# KiCad board SP110Duo.kicad_pcb (continued)
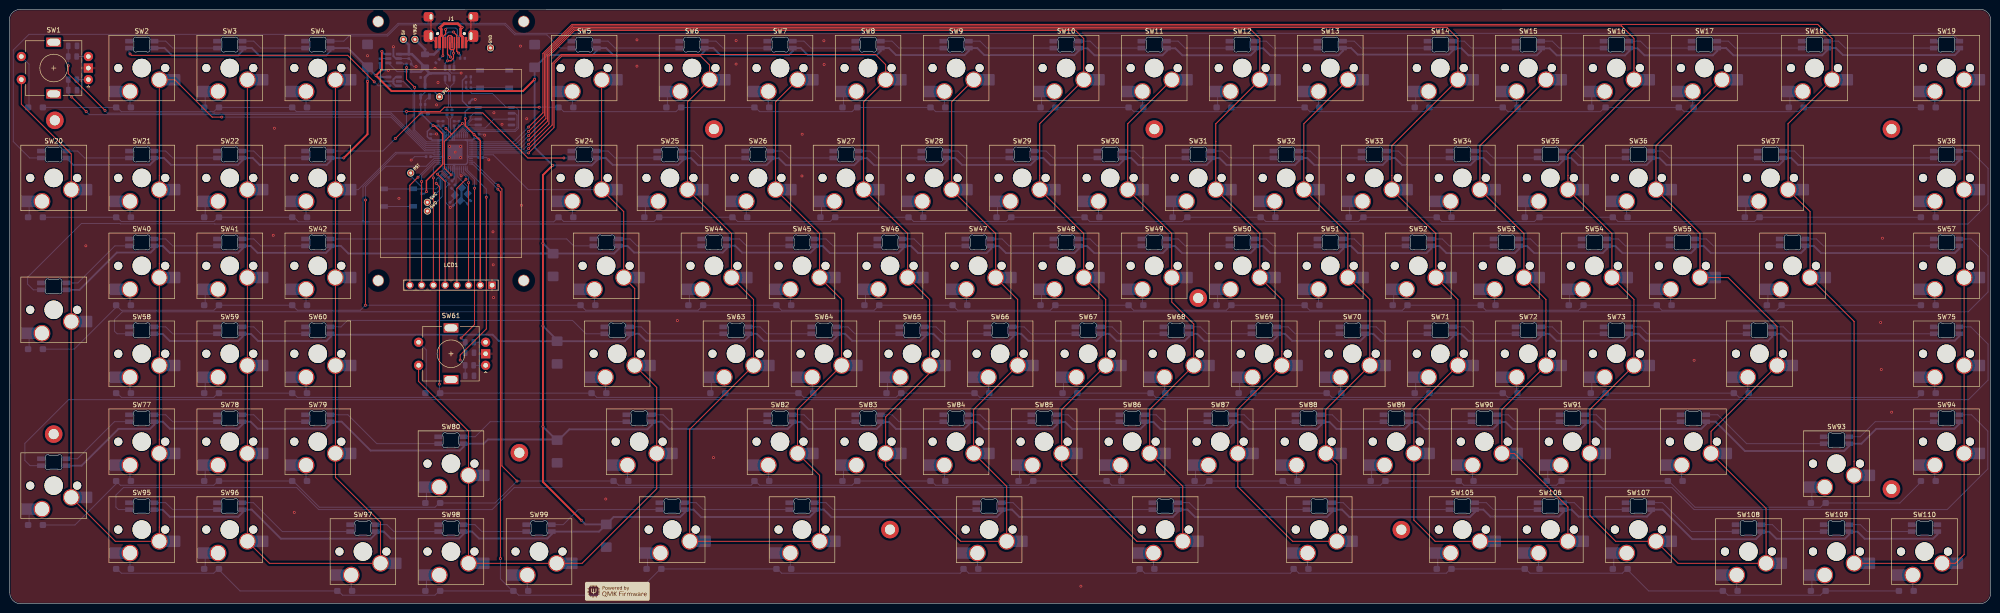
[diagram p0: board, top side]
## Routing (per net, layer and track width the routed paths; a pad name or vN(x,y) marks a point on that pad's centre or on a via; arc(x,y) is an arc through that point) (continued)
QSPI_SCLK: length 6.1
  Bottom w0.2: U6.6 100.21,105.02 97.48,102.28 U4.52
QSPI_SD0: length 5.1
  Bottom w0.2: U6.5 99.41,103.75 97.88,102.22 U4.53
QSPI_SD1: length 16.5
  Bottom w0.2: U6.2 109.48,106.29 109.88,105.89 109.88,103.19 109.37,102.68 99.27,102.68 98.68,102.09 U4.55
QSPI_SD2: length 12.4
  Bottom w0.2: U4.54 98.28,102.15 99.22,103.1 102.98,103.1 104.9,105.02 U6.3
QSPI_SD3: length 7.4
  Bottom w0.2: U4.51 97.08,102.34 99.88,105.14 99.88,105.69 100.48,106.29 U6.7
QSPI_SS: length 30.7
  Bottom w0.2: U4.56 99.08,102.03 99.4,102.36 109.51,102.36 110.2,103.05 110.2,106.96 109.61,107.56 U6.1 107.57,107.56 104.58,110.55 100.13,110.55 98.88,111.8 R12.2 R11.1
RESET: length 21.2
  Bottom w0.2: TP5.1 86.88,92.7 89.28,90.3 R10.1 92.39,89.91 93.02,90.54 93.02,92.11 94.68,93.77 U4.26 ; RST1.1 RST1.1 89.27,89.9
ROT1_A: length 2.5
  Bottom w0.2: R13.2 SW1.A
ROT1_B: length 2.5
  Bottom w0.2: R14.2 SW1.B
ROT2_A: length 2.6
  Bottom w0.2: R16.2 SW61.A
ROT2_B: length 2.6
  Bottom w0.2: R15.2 SW61.B
ROW0: length 425.7
  Top w0.2: v1(114.68,107.6) 94.18,107.6 93.26,106.68 v1(85.96,106.68)
  Bottom w0.2: 119.05,107.56 119.98,106.63 144.27,106.63 145.19,107.56 161.44,107.56 162.37,106.63 182.37,106.63 183.29,107.56 199.54,107.56 200.47,106.63 225.23,106.63 226.15,107.56 242.4,107.56 243.33,106.63 263.33,106.63 264.25,107.56 280.5,107.56 281.43,106.63 306.19,106.63 307.12,107.56 323.37,107.56 324.29,106.63 344.29,106.63 345.22,107.56 361.47,107.56 362.39,106.63 387.15,106.63 388.08,107.56 413.85,107.56 ; 61.43,107.56 45.18,107.56 44.25,106.63 24.25,106.63 23.33,107.56 7.08,107.56 ; D5.1 118.82,107.6 v1(114.68,107.6) ; U4.39 90.16,99.29 85.96,103.48 v1(85.96,106.68) 62.11,106.68 D4.1
ROW1: length 442.5
  Bottom w0.2: 118.8,83.75 117.83,82.77 77.88,82.77 ; 76.55,82.95 76.38,82.77 ; 76.55,82.95 76.72,82.77 77.88,82.77 ; 76.55,82.95 76.55,83 ; 76.55,82.95 76.55,83 ; 76.38,82.77 62.6,82.77 61.63,83.75 61.18,83.75 ; 76.38,82.77 77.88,82.77 ; 7.08,83.75 23.33,83.75 24.25,82.82 44.25,82.82 45.18,83.75 61.43,83.75 61.43,83.61 ; 119.05,83.74 119.05,83.75 119.98,82.82 139.5,82.82 140.43,83.75 156.68,83.75 157.6,82.82 177.6,82.82 178.53,83.75 194.78,83.75 195.7,82.82 215.7,82.82 216.63,83.75 232.88,83.75 233.8,82.82 253.8,82.82 254.73,83.75 270.98,83.75 271.9,82.82 291.9,82.82 292.83,83.75 309.08,83.75 310,82.82 330,82.82 330.93,83.75 347.18,83.75 348.1,82.82 377.63,82.82 378.55,83.75 413.85,83.75 ; 76.55,83 76.55,90.31 83.74,97.5 91.73,97.5 91.94,97.29 U4.34
ROW2: length 463
  Top w0.2: 77.2,87.5 77.08,87.37 v1(77.08,64.7)
  Bottom w0.2: D57.1 D56.2 382.42,63.6 357.6,63.6 D55.1 D54.2 339.56,63.6 319.5,63.6 D53.1 D52.2 301.46,63.6 281.4,63.6 D51.1 D50.2 263.36,63.6 243.3,63.6 D49.1 D48.2 225.26,63.6 205.2,63.6 D47.1 D46.2 187.16,63.6 167.1,63.6 D45.1 D44.2 149.06,63.6 124.72,63.6 D43.1 77.08,64.7 v1(77.08,64.7) 75.98,63.6 62.33,63.6 D42.1 D41.2 44.28,63.6 24.35,63.6 24.29,63.54 D40.1 23.13,64.25 14.05,55.17 D39.2 ; U4.32 91.92,96.49 90.23,94.8 81.5,94.8 77.08,90.37 v1(77.08,87.5)
ROW3: length 447.4
  Top w0.2: v1(93.08,47.6) 93.08,90.42 v1(92.39,91.1)
  Bottom w0.2: D61.2 93.08,45.81 v1(93.08,47.6) ; U4.27 94.28,93.83 92.39,91.95 v1(92.39,91.1) ; 413.85,45.65 412.93,44.72 374.3,44.72 373.37,45.65 345.22,45.65 344.29,44.72 324.29,44.72 323.37,45.65 307.12,45.65 306.19,44.72 286.19,44.72 285.27,45.65 269.02,45.65 268.09,44.72 248.09,44.72 247.17,45.65 230.92,45.65 229.99,44.72 209.99,44.72 209.07,45.65 192.82,45.65 191.89,44.72 171.89,44.72 170.97,45.65 154.72,45.65 153.79,44.72 127.12,44.72 126.2,45.65 93.04,45.65 92.12,44.72 62.35,44.72 61.43,45.65 45.18,45.65 44.25,44.72 24.25,44.72 23.33,45.65
ROW4: length 499.8
  Top w0.2: v1(105.78,90.7) 106.6,89.87 106.6,29.87 v1(109.88,26.6)
  Bottom w0.2: 413.85,26.6 409.09,21.83 392.84,21.83 391.92,20.91 364.77,20.91 359.08,26.6 335.69,26.6 334.77,25.67 314.77,25.67 313.84,26.6 297.59,26.6 296.67,25.67 276.67,25.67 275.74,26.6 259.49,26.6 258.57,25.67 238.57,25.67 237.64,26.6 221.39,26.6 220.47,25.67 200.47,25.67 199.54,26.6 183.29,26.6 182.37,25.67 162.37,25.67 161.44,26.6 160.52,25.67 131.89,25.67 130.96,26.6 v1(109.88,26.6) 105.12,21.83 93.04,21.83 92.12,20.91 67.12,20.91 61.43,26.6 45.18,26.6 44.25,25.67 24.05,25.67 D77.1 ; D77.1 23.33,26.6 ; D77.1 23.13,25.98 14.22,17.07 7.08,17.07 ; U4.13 100.56,95.69 105.15,91.1 105.38,91.1 v1(105.78,90.7)
ROW5: length 495.2
  Top w0.2: v1(105.73,89.85) 106.28,89.3 v1(106.28,9.8)
  Bottom w0.2: 23.33,7.55 24.25,6.62 44.25,6.62 45.18,7.55 49.94,2.78 71.19,2.78 72.12,1.86 92.12,1.86 93.04,2.78 109.29,2.78 110.22,1.86 135.22,1.86 140.9,7.55 166.2,7.55 167.13,6.62 205.76,6.62 206.68,7.55 207.61,6.62 243.86,6.62 244.78,7.55 245.71,6.62 277.2,6.62 278.12,7.55 279.05,6.62 310.95,6.62 311.88,7.55 328.13,7.55 329.05,6.62 349.05,6.62 349.98,7.55 354.74,2.78 370.99,2.78 371.92,1.86 391.92,1.86 392.84,2.78 409.09,2.78 ; U4.14 100.29,95.29 v1(105.73,89.85) ; v1(106.28,9.8) 106.28,5.4 108.89,2.78 D99.1
SWC: length 11.5
  Bottom w0.2: U4.24 95.48,93.64 93.68,91.84 93.68,88.25 90.48,85.05
SWD: length 9.4
  Bottom w0.2: U4.25 95.08,93.7 93.35,91.98 93.35,89.87 90.48,87
XIN: length 8.3
  Bottom w0.2: U4.20 97.08,92.48 99.17,90.38 Y1.3 99.17,88 C11.2
XOUT: length 3.8
  Bottom w0.2: U4.21 96.68,90.99 R8.1
Net-(BOOT1-Pad1): length 8.3
  Bottom w0.2: R12.1 BOOT1.1 ; 101.23,111.8 107.53,111.8
Net-(C12-Pad2): length 3.8
  Bottom w0.2: R8.2 96.41,89.32 Y1.1 96.41,88 C12.2
Net-(D1-K): length 11.7
  Bottom w0.2: SW1.S1 4.28,116.92 4.28,107.56
Net-(D2-A): length 3.4
  Bottom w0.2: SW2.2 26.13,107.56
Net-(D3-K): length 3.5
  Bottom w0.2: 42.38,107.56 42.4,107.58 SW3.2
Net-(D4-A): length 3.4
  Bottom w0.2: SW4.2 64.23,107.56
Net-(D5-A): length 3.4
  Bottom w0.2: SW5.2 121.85,107.56
Net-(D6-K): length 3.5
  Bottom w0.2: SW6.2 142.41,107.58 142.39,107.56
Net-(D7-A): length 3.4
  Bottom w0.2: SW7.2 164.24,107.56
Net-(D8-K): length 3.5
  Bottom w0.2: SW8.2 180.51,107.58 180.49,107.56
Net-(D9-A): length 3.4
  Bottom w0.2: SW9.2 202.34,107.56
Net-(D10-K): length 3.5
  Bottom w0.2: 223.35,107.56 223.37,107.58 SW10.2
Net-(D11-A): length 3.4
  Bottom w0.2: SW11.2 245.2,107.56
Net-(D12-K): length 3.5
  Bottom w0.2: SW12.2 261.47,107.58 261.45,107.56
Net-(D13-A): length 3.4
  Bottom w0.2: SW13.2 283.3,107.56
Net-(D14-K): length 3.5
  Bottom w0.2: SW14.2 304.34,107.58 304.32,107.56
Net-(D15-A): length 3.4
  Bottom w0.2: SW15.2 326.17,107.56
Net-(D16-K): length 3.5
  Bottom w0.2: 342.42,107.56 342.44,107.58 SW16.2
Net-(D17-A): length 3.4
  Bottom w0.2: SW17.2 364.27,107.56
Net-(D18-K): length 3.5
  Bottom w0.2: SW18.2 385.3,107.58 385.28,107.56
Net-(D19-A): length 3.4
  Bottom w0.2: SW19.2 416.65,107.56
Net-(D20-K): length 3.5
  Bottom w0.2: SW20.2 4.3,83.77 4.28,83.75
Net-(D21-A): length 3.4
  Bottom w0.2: SW21.2 26.13,83.75
Net-(D22-K): length 3.5
  Bottom w0.2: SW22.2 42.4,83.77 42.38,83.75
Net-(D23-A): length 3.4
  Bottom w0.2: SW23.2 64.23,83.75
Net-(D24-A): length 3.4
  Bottom w0.2: SW24.2 121.85,83.75
Net-(D25-K): length 3.5
  Bottom w0.2: 137.63,83.75 137.65,83.77 SW25.2
Net-(D26-A): length 3.4
  Bottom w0.2: SW26.2 159.48,83.75
Net-(D27-K): length 3.5
  Bottom w0.2: 175.73,83.75 175.75,83.77 SW27.2
Net-(D28-A): length 3.4
  Bottom w0.2: SW28.2 197.58,83.75
Net-(D29-K): length 3.5
  Bottom w0.2: SW29.2 213.85,83.77 213.83,83.75
Net-(D30-A): length 3.4
  Bottom w0.2: 235.68,83.75 SW30.2
Net-(D31-K): length 3.5
  Bottom w0.2: 251.93,83.75 251.95,83.77 SW31.2
Net-(D32-A): length 3.4
  Bottom w0.2: SW32.2 273.78,83.75
Net-(D33-K): length 3.5
  Bottom w0.2: 290.03,83.75 290.05,83.77 SW33.2
Net-(D34-A): length 3.4
  Bottom w0.2: 311.88,83.75 SW34.2
Net-(D35-K): length 3.5
  Bottom w0.2: 328.13,83.75 328.15,83.77 SW35.2
Net-(D36-A): length 3.4
  Bottom w0.2: SW36.2 349.98,83.75
Net-(D37-K): length 3.5
  Bottom w0.2: 375.75,83.75 375.77,83.77 SW37.2
Net-(D38-A): length 3.4
  Bottom w0.2: SW38.2 416.65,83.75
Net-(D39-K): length 3.5
  Bottom w0.2: SW39.2 4.3,55.19 4.28,55.17
Net-(D40-A): length 3.4
  Bottom w0.2: SW40.2 26.13,64.7
Net-(D41-K): length 3.5
  Bottom w0.2: 42.38,64.7 42.4,64.72 SW41.2
Net-(D42-A): length 3.4
  Bottom w0.2: SW42.2 64.23,64.7
Net-(D43-A): length 3.4
  Bottom w0.2: SW43.2 126.62,64.7
Net-(D44-K): length 3.5
  Bottom w0.2: SW44.2 147.17,64.72 147.15,64.7
Net-(D45-A): length 3.4
  Bottom w0.2: SW45.2 169,64.7
Net-(D46-K): length 3.5
  Bottom w0.2: 185.25,64.7 185.27,64.72 SW46.2
Net-(D47-A): length 3.4
  Bottom w0.2: SW47.2 207.1,64.7
Net-(D48-K): length 3.5
  Bottom w0.2: 223.35,64.7 223.37,64.72 SW48.2
Net-(D49-A): length 3.4
  Bottom w0.2: SW49.2 245.2,64.7
Net-(D50-K): length 3.5
  Bottom w0.2: SW50.2 261.47,64.72 261.45,64.7
Net-(D51-A): length 3.4
  Bottom w0.2: SW51.2 283.3,64.7
Net-(D52-K): length 3.5
  Bottom w0.2: 299.55,64.7 299.57,64.72 SW52.2
Net-(D53-A): length 3.4
  Bottom w0.2: SW53.2 321.4,64.7
Net-(D54-K): length 3.5
  Bottom w0.2: SW54.2 337.65,68.12 337.65,64.7
Net-(D55-A): length 3.4
  Bottom w0.2: SW55.2 359.5,64.7
Net-(D56-K): length 3.5
  Bottom w0.2: SW56.2 380.54,64.72 380.52,64.7
Net-(D57-A): length 3.4
  Bottom w0.2: SW57.2 416.65,64.7
Net-(D58-A): length 3.4
  Bottom w0.2: SW58.2 26.13,45.65
Net-(D59-K): length 3.5
  Bottom w0.2: SW59.2 42.4,45.67 42.38,45.65
Net-(D60-A): length 3.4
  Bottom w0.2: SW60.2 64.23,45.65
Net-(D61-K): length 11.7
  Bottom w0.2: 90.24,45.65 90.24,55.01 SW61.S1
Net-(D62-A): length 3.4
  Bottom w0.2: 129,45.65 SW62.2
Net-(D63-K): length 3.5
  Bottom w0.2: SW63.2 151.92,49.07 151.92,45.65
Net-(D64-A): length 3.4
  Bottom w0.2: 173.77,45.65 SW64.2
Net-(D65-K): length 3.5
  Bottom w0.2: SW65.2 190.02,49.07 190.02,45.65
Net-(D66-A): length 3.4
  Bottom w0.2: 211.87,45.65 SW66.2
Net-(D67-K): length 3.5
  Bottom w0.2: 228.12,45.65 228.12,49.07 SW67.2
Net-(D68-A): length 3.4
  Bottom w0.2: 249.97,45.65 SW68.2
Net-(D69-K): length 3.5
  Bottom w0.2: SW69.2 266.24,45.67 266.22,45.65
Net-(D70-A): length 3.4
  Bottom w0.2: 288.07,45.65 SW70.2
Net-(D71-K): length 3.5
  Bottom w0.2: 304.32,45.65 304.34,45.67 SW71.2
Net-(D72-A): length 3.4
  Bottom w0.2: SW72.2 326.17,45.65
Net-(D73-K): length 3.5
  Bottom w0.2: 342.42,45.65 342.44,45.67 SW73.2
Net-(D74-A): length 3.4
  Bottom w0.2: SW74.2 376.17,45.65
Net-(D75-A): length 3.4
  Bottom w0.2: SW75.2 416.65,45.65
Net-(D76-K): length 3.5
  Bottom w0.2: 4.28,17.07 4.3,17.09 SW76.2
Net-(D77-A): length 3.4
  Bottom w0.2: SW77.2 26.13,26.6
Net-(D78-K): length 3.5
  Bottom w0.2: SW78.2 42.4,26.62 42.38,26.6
Net-(D79-A): length 3.4
  Bottom w0.2: SW79.2 64.23,26.6
Net-(D80-K): length 3.5
  Bottom w0.2: SW80.2 90.26,21.85 90.24,21.83
Net-(D81-A): length 3.4
  Bottom w0.2: SW81.2 133.76,26.6
Net-(D82-A): length 3.4
  Bottom w0.2: SW82.2 164.24,26.6
Net-(D83-K): length 3.5
  Bottom w0.2: 180.49,26.6 180.51,26.62 SW83.2
Net-(D84-A): length 3.4
  Bottom w0.2: SW84.2 202.34,26.6
Net-(D85-K): length 3.5
  Bottom w0.2: SW85.2 218.61,26.62 218.59,26.6
Net-(D86-A): length 3.4
  Bottom w0.2: SW86.2 240.44,26.6
Net-(D87-K): length 3.5
  Bottom w0.2: SW87.2 256.71,26.62 256.69,26.6
Net-(D88-A): length 3.4
  Bottom w0.2: SW88.2 278.54,26.6
Net-(D89-K): length 3.5
  Bottom w0.2: SW89.2 294.79,30.02 294.79,26.6
Net-(D90-A): length 3.4
  Bottom w0.2: SW90.2 316.64,26.6
Net-(D91-K): length 3.5
  Bottom w0.2: 332.89,26.6 332.91,26.62 SW91.2
Net-(D92-A): length 3.4
  Bottom w0.2: SW92.2 361.88,26.6
Net-(D93-K): length 3.5
  Bottom w0.2: 390.04,21.83 390.06,21.85 SW93.2
Net-(D94-A): length 3.4
  Bottom w0.2: SW94.2 416.65,26.6
Net-(D95-A): length 3.4
  Bottom w0.2: SW95.2 26.13,7.55
Net-(D96-K): length 3.5
  Bottom w0.2: 42.38,7.55 42.4,7.57 SW96.2
Net-(D97-A): length 3.4
  Bottom w0.2: SW97.2 73.99,2.78
Net-(D98-K): length 3.5
  Bottom w0.2: SW98.2 90.26,2.8 90.24,2.78
Net-(D99-A): length 3.4
  Bottom w0.2: SW99.2 112.09,2.78
Net-(D100-K): length 3.5
  Bottom w0.2: SW100.2 138.12,7.57 138.1,7.55
Net-(D101-A): length 3.4
  Bottom w0.2: SW101.2 169,7.55
Net-(D102-A): length 3.4
  Bottom w0.2: SW102.2 209.48,7.55
Net-(D103-A): length 3.4
  Bottom w0.2: SW103.2 247.58,7.55
Net-(D104-A): length 3.4
  Bottom w0.2: SW104.2 280.92,7.55
Net-(D105-K): length 3.5
  Bottom w0.2: SW105.2 309.1,7.57 309.08,7.55
Net-(D106-A): length 3.4
  Bottom w0.2: 330.93,7.55 SW106.2
Net-(D107-K): length 3.5
  Bottom w0.2: SW107.2 347.2,7.57 347.18,7.55
Net-(D108-A): length 3.4
  Bottom w0.2: 373.79,2.78 SW108.2
Net-(D109-K): length 3.5
  Bottom w0.2: SW109.2 390.06,2.8 390.04,2.78
Net-(D110-A): length 3.4
  Bottom w0.2: SW110.2 411.89,2.78
Net-(J1-CC1): length 10
  Top w0.25: v1(97.25,119.32) 96.83,119.74 96.83,123.19 v1(96.13,123.9)
  Bottom w0.25: v1(97.25,119.32) 97.58,119 97.58,118.21 R1.1 ; v1(96.13,123.9) 95.03,123.9 94.33,123.2 94.33,121.6
Net-(J1-CC2): length 12.8
  Top w0.25: v1(94.43,124.45) 94.43,123.49 93.83,122.9 v1(93.83,118.75)
  Bottom w0.25: v1(94.43,124.45) 94.73,124.75 96.63,124.75 96.98,124.4 96.98,123.23 97.33,122.87 97.33,121.6 ; v1(93.83,118.75) R2.1
Net-(R11-Pad2): length 1.2
  Bottom w0.2: R9.1 R11.2
Net-(SW2-DOUT): length 14.2
  Bottom w0.2: 44.97,120.41 35.35,120.41 33.85,121.91 31.42,121.91
Net-(SW3-DOUT): length 14.2
  Bottom w0.2: 50.47,121.91 52.9,121.91 54.4,120.41 64.02,120.41
Net-(SW4-DOUT): length 55.8
  Bottom w0.2: 121.64,120.41 119.21,120.41 116.34,123.28 109.39,123.28 107.23,125.45 84.28,125.45 81.88,123.05 73.53,123.05 72.39,121.91 69.52,121.91 69.57,121.86
Net-(SW5-DOUT): length 18.5
  Bottom w0.2: 127.14,121.91 129.58,121.91 131.08,120.41 144.98,120.41
Net-(SW6-DOUT): length 14.2
  Bottom w0.2: 150.48,121.91 152.92,121.91 154.42,120.41 164.03,120.41
Net-(SW7-DOUT): length 14.2
  Bottom w0.2: 169.53,121.91 171.97,121.91 173.47,120.41 183.08,120.41
Net-(SW8-DOUT): length 14.2
  Bottom w0.2: 202.13,120.41 192.52,120.41 191.02,121.91 188.58,121.91
Net-(SW10-DIN): length 18.9
  Bottom w0.2: 225.94,120.41 211.57,120.41 210.07,121.91 207.63,121.91
Net-(SW10-DOUT): length 14.2
  Bottom w0.2: 244.99,120.41 235.38,120.41 233.88,121.91 231.44,121.91
Net-(SW11-DOUT): length 14.2
  Bottom w0.2: 250.49,121.91 252.93,121.91 254.43,120.41 264.04,120.41
Net-(SW12-DOUT): length 14.2
  Bottom w0.2: 269.54,121.91 271.98,121.91 273.48,120.41 283.09,120.41
Net-(SW13-DOUT): length 18.9
  Bottom w0.2: 288.59,121.91 291.03,121.91 292.53,120.41 306.91,120.41
Net-(SW14-DOUT): length 14.2
  Bottom w0.2: 325.96,120.41 316.34,120.41 314.84,121.91 312.41,121.91
Net-(SW15-DOUT): length 14.2
  Bottom w0.2: 345.01,120.41 335.39,120.41 333.89,121.91 331.46,121.91
Net-(SW16-DOUT): length 14.2
  Bottom w0.2: 350.51,121.91 352.94,121.91 354.44,120.41 364.06,120.41
Net-(SW17-DOUT): length 18.9
  Bottom w0.2: 387.87,120.41 373.49,120.41 371.99,121.91 369.56,121.91
Net-(SW18-DOUT): length 23.7
  Bottom w0.2: 416.44,120.41 397.3,120.41 395.8,121.91 393.37,121.91
Net-(SW19-DOUT): length 452.4
  Bottom w0.2: SW20.5 4.42,96.6 0.88,100.15 0.88,120 4.28,123.4 81.76,123.4 84.14,125.77 107.36,125.77 109.52,123.61 420.33,123.61 421.94,122 421.94,121.91
Net-(SW20-DOUT): length 14.2
  Bottom w0.2: SW20.4 14.8,98.1 16.3,96.6 SW21.5
Net-(SW21-DOUT): length 14.2
  Bottom w0.2: SW22.5 35.35,96.6 33.85,98.1 SW21.4
Net-(SW22-DOUT): length 14.2
  Bottom w0.2: SW22.4 52.9,98.1 54.4,96.6 SW23.5
Net-(SW23-DOUT): length 59.6
  Top w0.2: v1(120.03,96.6) 112.23,96.6 102.47,106.36 89.09,106.36 v1(83.53,100.8)
  Bottom w0.2: v1(83.53,100.8) 80.83,98.1 SW23.4 ; 120.03,96.65 120.08,96.6 121.64,96.6 SW24.5
Net-(SW24-DOUT): length 13.7
  Bottom w0.2: SW24.4 129.58,98.1 131.08,96.6 SW25.5
Net-(SW25-DOUT): length 14.2
  Bottom w0.2: SW25.4 148.15,98.1 149.65,96.6 SW26.5
Net-(SW26-DOUT): length 14.2
  Bottom w0.2: SW27.5 168.7,96.6 167.2,98.1 SW26.4
Net-(SW27-DOUT): length 14.2
  Bottom w0.2: SW27.4 186.25,98.1 187.75,96.6 SW28.5
Net-(SW28-DOUT): length 14.2
  Bottom w0.2: SW28.4 205.3,98.1 206.8,96.6 SW29.5
Net-(SW29-DOUT): length 14.2
  Bottom w0.2: SW30.5 225.85,96.6 224.35,98.1 SW29.4
Net-(SW30-DOUT): length 14.2
  Bottom w0.2: SW30.4 243.4,98.1 244.9,96.6 SW31.5
Net-(SW31-DOUT): length 14.2
  Bottom w0.2: SW31.4 262.45,98.1 263.95,96.6 SW32.5
Net-(SW32-DOUT): length 14.2
  Bottom w0.2: SW32.4 281.5,98.1 283,96.6 SW33.5
Net-(SW33-DOUT): length 14.2
  Bottom w0.2: SW33.4 300.55,98.1 302.05,96.6 SW34.5
Net-(SW34-DOUT): length 14.2
  Bottom w0.2: SW34.4 319.6,98.1 321.1,96.6 SW35.5
Net-(SW35-DOUT): length 14.2
  Bottom w0.2: SW36.5 340.15,96.6 338.65,98.1 SW35.4
Net-(SW36-DOUT): length 23.7
  Bottom w0.2: SW37.5 359.2,96.6 357.7,98.1 SW36.4
Net-(SW37-DOUT): length 33.2
  Bottom w0.2: SW37.4 386.28,98.1 387.78,96.6 SW38.5
Net-(SW38-DOUT): length 451.3
  Bottom w0.2: SW39.5 5.21,68.03 3.98,69.26 3.98,70.76 15.61,82.39 23.98,82.39 24.05,82.32 44.46,82.32 44.51,82.27 423.79,82.27 428.18,86.66 428.18,94.36 424.43,98.1 SW38.4
Net-(SW39-DOUT): length 16.9
  Bottom w0.2: SW40.5 22.87,77.55 14.84,69.53 SW39.4
Net-(SW40-DOUT): length 14.2
  Bottom w0.2: SW40.4 33.85,79.05 35.35,77.55 SW41.5
Net-(SW41-DOUT): length 14.2
  Bottom w0.2: SW41.4 52.9,79.05 54.4,77.55 SW42.5
Net-(SW42-DOUT): length 57.5
  Bottom w0.2: SW43.5 122.13,77.55 120.63,79.05 SW42.4
Net-(SW43-DOUT): length 18.5
  Bottom w0.2: SW44.5 135.84,77.55 134.34,79.05 SW43.4
Net-(SW44-DOUT): length 14.2
  Bottom w0.2: SW45.5 159.53,77.55 158.03,79.05 SW44.4
Net-(SW45-DOUT): length 14.2
  Bottom w0.2: SW45.4 176.73,79.05 178.23,77.55 SW46.5
Net-(SW46-DOUT): length 14.2
  Bottom w0.2: SW46.4 195.78,79.05 197.28,77.55 SW47.5
Net-(SW47-DOUT): length 14.2
  Bottom w0.2: SW47.4 214.83,79.05 216.33,77.55 SW48.5
Net-(SW48-DOUT): length 14.2
  Bottom w0.2: SW48.4 233.88,79.05 235.38,77.55 SW49.5
Net-(SW49-DOUT): length 14.2
  Bottom w0.2: SW50.5 254.43,77.55 252.93,79.05 SW49.4
Net-(SW50-DOUT): length 14.2
  Bottom w0.2: SW50.4 271.98,79.05 273.48,77.55 SW51.5
Net-(SW51-DOUT): length 14.2
  Bottom w0.2: SW51.4 291.03,79.05 292.53,77.55 SW52.5
Net-(SW52-DOUT): length 14.2
  Bottom w0.2: SW53.5 311.58,77.55 310.08,79.05 SW52.4
Net-(SW53-DOUT): length 14.2
  Bottom w0.2: SW53.4 329.18,79.05 330.68,77.55 SW54.5
Net-(SW54-DOUT): length 14.2
  Bottom w0.2: SW55.5 349.68,77.55 348.18,79.05 SW54.4
Net-(SW55-DOUT): length 18.9
  Bottom w0.2: SW56.5 368.73,77.55 367.23,79.05 SW55.4
Net-(SW56-DOUT): length 28.5
  Bottom w0.2: SW57.5 392.54,77.55 391.04,79.05 SW56.4
Net-(SW57-DOUT): length 429.3
  Bottom w0.2: SW57.4 424.48,79.05 428.18,75.36 428.18,67.56 423.89,63.27 24.49,63.27 22.78,61.56 22.78,59.06 23.33,58.5 SW58.5
Net-(SW58-DOUT): length 14.2
  Bottom w0.2: SW58.4 33.85,60 35.35,58.5 SW59.5
Net-(SW59-DOUT): length 14.2
  Bottom w0.2: SW59.4 52.9,60 54.4,58.5 SW60.5
Net-(SW60-DOUT): length 61
  Bottom w0.2: SW62.5 124.78,58.5 121.88,61.4 73.18,61.4 71.78,60 SW60.4
Net-(SW62-DOUT): length 20.8
  Bottom w0.2: SW62.4 136.72,60 138.22,58.5 SW63.5
Net-(SW63-DOUT): length 14.2
  Bottom w0.2: SW63.4 162.44,60 163.94,58.5 SW64.5
Net-(SW64-DOUT): length 14.2
  Bottom w0.2: SW64.4 181.49,60 182.99,58.5 SW65.5
Net-(SW65-DOUT): length 14.2
  Bottom w0.2: SW66.5 202.04,58.5 200.54,60 SW65.4
Net-(SW66-DOUT): length 14.2
  Bottom w0.2: SW66.4 219.59,60 221.09,58.5 SW67.5
Net-(SW67-DOUT): length 14.2
  Bottom w0.2: SW68.5 240.14,58.5 238.64,60 SW67.4
Net-(SW68-DOUT): length 14.2
  Bottom w0.2: SW68.4 257.69,60 259.19,58.5 SW69.5
Net-(SW69-DOUT): length 14.2
  Bottom w0.2: SW69.4 276.74,60 278.24,58.5 SW70.5
Net-(SW70-DOUT): length 14.2
  Bottom w0.2: SW71.5 297.29,58.5 295.79,60 SW70.4
Net-(SW71-DOUT): length 14.2
  Bottom w0.2: SW71.4 314.83,60 316.33,58.5 SW72.5
Net-(SW72-DOUT): length 14.2
  Bottom w0.2: SW72.4 333.89,60 335.39,58.5 SW73.5
Net-(SW73-DOUT): length 26.1
  Bottom w0.2: SW73.4 352.94,60 354.44,58.5 SW74.5
Net-(SW74-DOUT): length 35.6
  Bottom w0.2: SW74.4 383.9,60 385.4,58.5 SW75.5
Net-(SW75-DOUT): length 453.7
  Bottom w0.2: SW76.5 4.51,29.93 3.38,31.06 3.38,34.76 12.84,44.22 423.94,44.22 428.18,48.46 428.18,56.26 424.43,60 SW75.4
Net-(SW76-DOUT): length 16.9
  Bottom w0.2: SW76.4 14.74,31.43 22.77,39.45 SW77.5
Net-(SW77-DOUT): length 14.2
  Bottom w0.2: SW78.5 35.35,39.45 33.85,40.95 SW77.4
Net-(SW78-DOUT): length 14.2
  Bottom w0.2: SW78.4 52.9,40.95 54.4,39.45 SW79.5
Net-(SW79-DOUT): length 25.9
  Bottom w0.2: SW79.4 73.28,40.95 79.55,34.69 SW80.5
Net-(SW80-DOUT): length 36.6
  Bottom w0.2: SW80.4 100.81,36.19 104.07,39.45 SW81.5
Net-(SW81-DOUT): length 25.6
  Bottom w0.2: SW81.4 141.49,40.95 142.99,39.45 SW82.5
Net-(SW82-DOUT): length 14.2
  Bottom w0.2: SW82.4 171.97,40.95 173.47,39.45 SW83.5
Net-(SW83-DOUT): length 14.2
  Bottom w0.2: SW84.5 192.52,39.45 191.02,40.95 SW83.4
Net-(SW84-DOUT): length 14.2
  Bottom w0.2: SW85.5 211.57,39.45 210.07,40.95 SW84.4
Net-(SW85-DOUT): length 14.2
  Bottom w0.2: SW85.4 229.12,40.95 230.62,39.45 SW86.5
Net-(SW86-DOUT): length 14.2
  Bottom w0.2: SW86.4 248.17,40.95 249.67,39.45 SW87.5
Net-(SW87-DOUT): length 14.2
  Bottom w0.2: SW87.4 267.22,40.95 268.72,39.45 SW88.5
Net-(SW88-DOUT): length 14.2
  Bottom w0.2: SW89.5 287.77,39.45 286.27,40.95 SW88.4
Net-(SW89-DOUT): length 14.2
  Bottom w0.2: SW90.5 306.82,39.45 305.32,40.95 SW89.4
Net-(SW90-DOUT): length 14.2
  Bottom w0.2: SW90.4 324.37,40.95 325.87,39.45 SW91.5
Net-(SW91-DOUT): length 21.3
  Bottom w0.2: SW92.5 344.92,39.45 343.42,40.95 SW91.4
Net-(SW92-DOUT): length 28.1
  Bottom w0.2: SW93.5 375.95,34.69 369.68,40.95 SW92.4
Net-(SW93-DOUT): length 19.7
  Bottom w0.2: SW93.4 400.51,36.19 403.77,39.45 SW94.5
Net-(SW94-DOUT): length 436.8
  Bottom w0.2: SW95.5 23.63,20.4 23.08,20.96 23.08,23.55 24.7,25.17 62.21,25.17 66.97,20.41 104.49,20.41 109.25,25.17 359.8,25.17 364.56,20.41 419.33,20.41 428.13,29.21 428.13,37.41 424.58,40.95 SW94.4
Net-(SW95-DOUT): length 14.2
  Bottom w0.2: SW96.5 35.35,20.4 33.85,21.9 SW95.4
Net-(SW96-DOUT): length 25.9
  Bottom w0.2: SW97.5 59.1,15.64 52.83,21.9 SW96.4
Net-(SW97-DOUT): length 14.2
  Bottom w0.2: SW97.4 81.72,17.14 83.22,15.64 SW98.5
Net-(SW98-DOUT): length 14.2
  Bottom w0.2: SW98.4 100.77,17.14 102.27,15.64 SW99.5
Net-(SW100-DIN): length 24.7
  Bottom w0.2: SW100.5 123.12,20.4 119.86,17.14 SW99.4
Net-(SW100-DOUT): length 23.2
  Bottom w0.2: SW101.5 150.13,20.4 148.63,21.9 SW100.4
Net-(SW101-DOUT): length 35.6
  Bottom w0.2: SW102.5 178.23,20.4 176.73,21.9 SW101.4
Net-(SW102-DOUT): length 33.2
  Bottom w0.2: SW103.5 218.71,20.4 217.21,21.9 SW102.4
Net-(SW103-DOUT): length 28.5
  Bottom w0.2: SW103.4 255.31,21.9 256.81,20.4 SW104.5
Net-(SW104-DOUT): length 26.1
  Bottom w0.2: SW104.4 288.65,21.9 290.15,20.4 SW105.5
Net-(SW105-DOUT): length 14.2
  Bottom w0.2: SW106.5 321.1,20.4 319.6,21.9 SW105.4
Net-(SW106-DOUT): length 14.2
  Bottom w0.2: SW106.4 338.65,21.9 340.15,20.4 SW107.5
Net-(SW107-DOUT): length 20.9
  Bottom w0.2: SW108.5 364,15.64 357.73,21.9 SW107.4
Net-(SW108-DOUT): length 14.2
  Bottom w0.2: SW108.4 381.52,17.14 383.02,15.64 SW109.5
Net-(SW109-DOUT): length 14.2
  Bottom w0.2: SW109.4 400.57,17.14 402.07,15.64 SW110.5
Net-(U4-USB_DM): length 4.8
  Bottom w0.2: R4.2 94.73,105.4 95.08,105.05 U4.46
Net-(U4-USB_DP): length 4.8
  Bottom w0.2: U4.47 95.48,105.05 95.83,105.4 R3.2

## Copper pours and planes (outline as drawn; the poured copper is in the pictures)
GND on Top, Bottom: -109.1,231.85 505.58,231.85 505.58,-211.38 -110.37,-211.38

## Text on the board
B.Silkscreen: JLCJLCJLCJLC
